# Altium PCB LPCXpresso55SXX.PcbDoc (part 3 of 4) (continued)
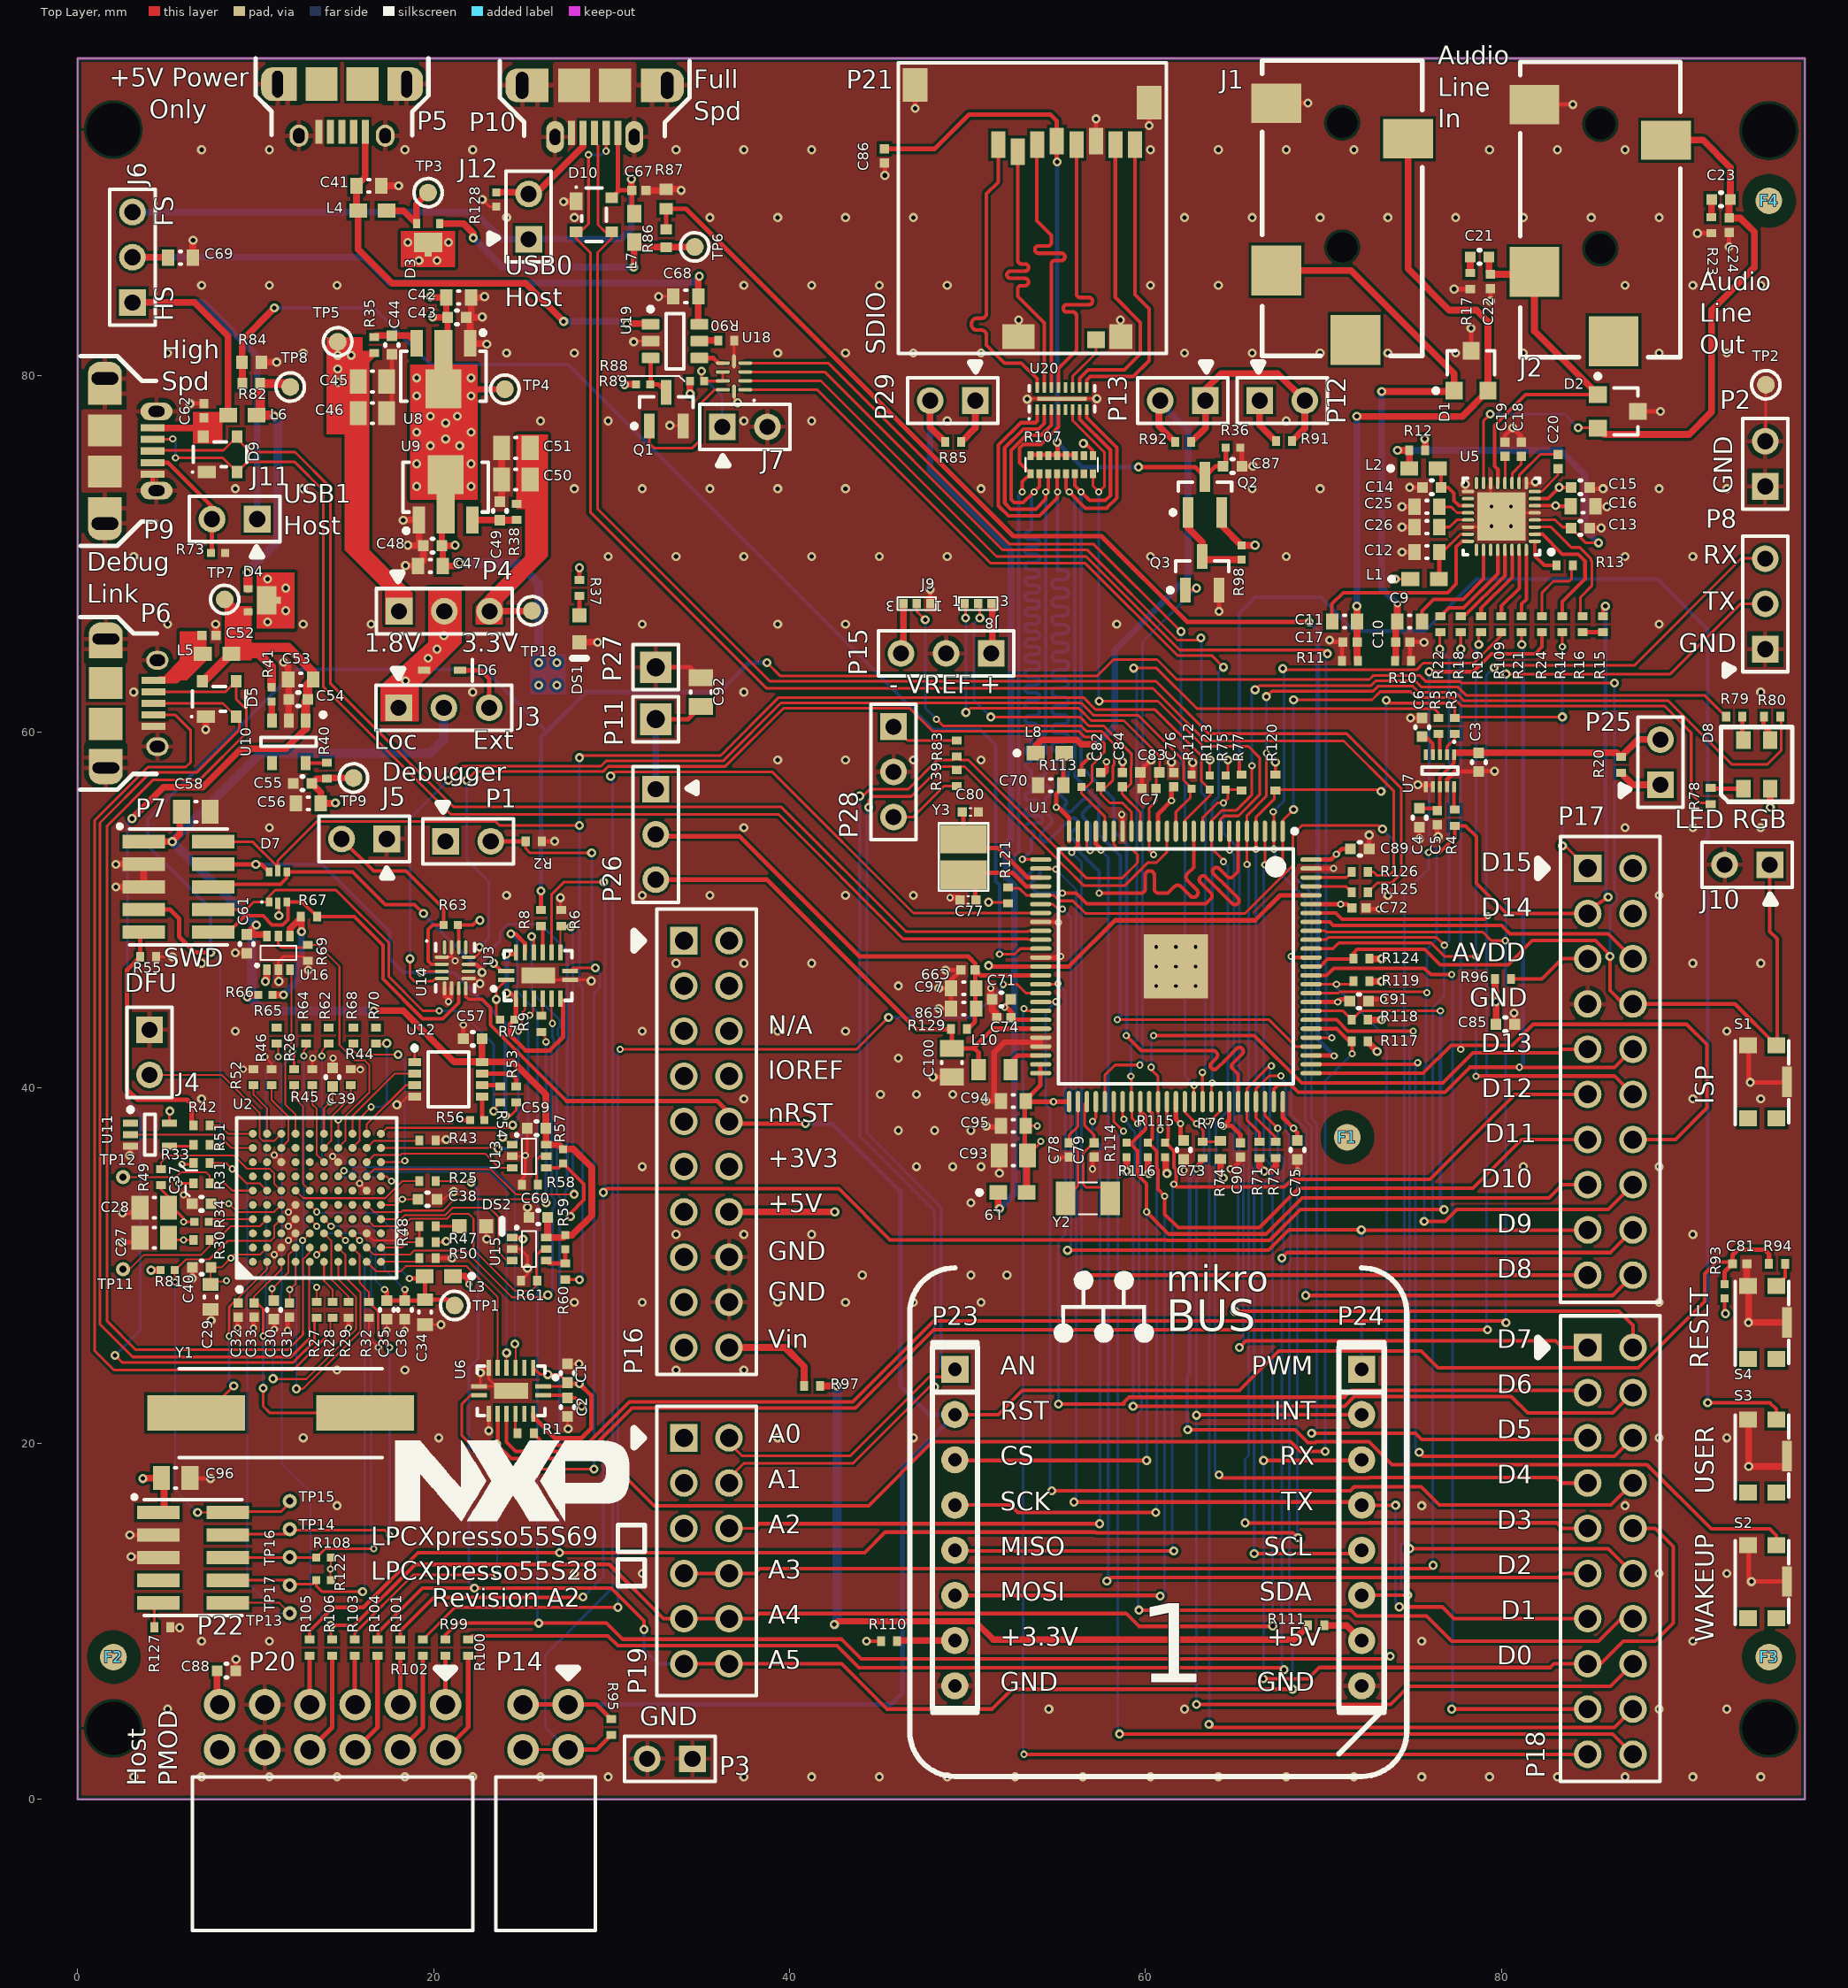
[diagram p0: Top Layer view]
## Nets (pads, with @x,y where several pads share a name; then routed paths per layer and width w, separated by ;. In a path a pad name is that pad's centre, name@x,y a point inside that pad or via, vN(x,y) a via of type N, cw(c..) or ccw(c..) an arc to the next point about the centre after c; other vN are vias at no path point) (continued)
LEDB/PWM_ARD: P18.5 R78.1 U1.1 | length 86.4
  Top Layer w0.152: v2(67.715,52.522) U1.1@67.715,54.412 67.715,55.015 v1(68.326,55.626) ; v1(68.326,61.798) 72.745,61.798 73.202,62.255 74.906,62.255 75.249,61.912 77.298,61.912 77.767,61.443 89.179,61.443 90.678,59.944 90.678,56.515 91.186,56.007 91.752,56.007 R78.1@91.821,55.938
  Top Layer w0.203: v1(69.342,20.574) 75.184,20.574 75.529,20.229 P18.5@84.861,20.229
  Bottom Layer w0.152: v2(67.715,52.522) 69.342,50.895 69.342,38.248 69.64,37.949 69.64,20.872 v1(69.342,20.574) ; v1(68.326,55.626) v1(68.326,61.798)
LEDG/PWM_ARD: P18.7 R79.1 U1.9 | length 94.9
  Top Layer w0.152: v2(64.389,52.705) 64.389,52.787 63.715,53.46 U1.9@63.715,54.412 63.715,55.002 64.288,55.575 65.103,55.575 65.989,56.461 v2(65.989,58.09) ; v1(66.167,62.357) 66.396,62.586 72.67,62.586 72.949,62.865 75.158,62.865 75.502,62.522 77.551,62.522 78.02,62.052 91.422,62.052 R79.1@92.641,60.833
  Top Layer w0.203: v1(64.135,18.237) 64.303,18.07 72.576,18.07 72.601,18.095 83.116,18.095 83.431,17.78 P18.7@84.861,17.78
  Bottom Layer w0.152: v1(64.135,18.237) 63.906,18.466 63.906,35.688 63.957,35.739 63.957,38.025 64.643,38.711 64.643,52.451 v2(64.389,52.705) ; v2(65.989,58.09) 65.989,62.179 v1(66.167,62.357)
LEDR/PWM_ARD: P18.9 R80.1 U1.5 | length 99.6
  Top Layer w0.152: v2(65.715,52.539) U1.5@65.715,54.412 65.715,55.301 66.802,56.388 v2(66.802,58.801) ; v1(66.802,61.976) 67.107,62.281 72.796,62.281 73.075,62.56 75.032,62.56 75.375,62.217 77.424,62.217 77.894,61.747 89.383,61.747 92.964,58.166 94.959,58.166 95.74,58.946 95.74,60.761 R80.1@95.668,60.833
  Top Layer w0.203: v1(65.608,15.545) 65.623,15.53 72.576,15.53 72.591,15.545 83.126,15.545 83.431,15.24 P18.9@84.861,15.24
  Bottom Layer w0.152: v1(65.608,15.545) 65.608,19.129 65.811,19.332 65.811,52.443 v2(65.715,52.539) ; v2(66.802,58.801) v1(66.802,61.976)
LININL: C9.2 U5.26 | length 6.4
  Top Layer w0.203: C9.2@75.554,66.192 75.554,66.791 76.2,67.437 77.851,67.437 79.013,68.599 U5.26@79.013,70.231
LININL_F: C9.1 C10.2 D1.1 J1.2 R10.2 | length 33
  Top Layer w0.381: J1.2@67.363,85.924 71.556,85.924 77.352,80.128 D1.1@77.352,79.164 77.308,79.121 v1(73.279,79.121) ; R10.2@74.023,63.983 74.073,64.033 C10.2@74.073,65.049 74.073,66.111 C9.1@74.154,66.192 74.154,67.169 v2(74.168,67.183)
  Bottom Layer w0.381: v1(73.279,79.121) 73.279,68.072 v2(74.168,67.183)
LININR: C11.2 U5.24 | length 11.3
  Top Layer w0.203: C11.2@70.496,66.192 70.485,66.203 70.485,67.183 71.12,67.818 76.989,67.818 77.47,68.299 77.47,70.399 77.777,70.706 U5.24@78.138,70.706
LININR_F: C11.1 C17.2 D1.2 J1.3 R11.2 | length 38.6
  Top Layer w0.381: v1(71.882,67.056) 71.896,67.042 C11.1@71.896,66.192 71.896,64.037 R11.2@71.951,63.983 ; v1(71.882,77.724) 77.811,77.724 D1.2@79.252,79.164 79.252,83.054 78.613,83.693 77.089,83.693 74.763,86.019 J1.3@74.763,93.324
  Bottom Layer w0.381: v1(71.882,67.056) v1(71.882,77.724)
LINK2_ISP_BOOT: J4.2 U2.C10 | length 9.9
  Top Layer w0.102: J4.2@4.032,40.715 8.096,40.715 10.213,38.598 10.213,37.201 10.407,37.007 11.03,37.007 U2.C10@11.436,37.413
LSPI_HS_MISO: P17.11 P23.5 R115.1 U1.62 | length 63.6
  Top Layer w0.203: P23.5@49.295,14.006 49.33,13.97 v1(61.595,13.97) ; U1.62@61.215,39.212 61.215,37.907 61.29,37.832 61.29,37.11 61.08,36.9 R115.1@61.112,36.9 61.144,36.9 61.595,36.449 61.595,35.516 61.722,35.389 61.722,34.696 v2(61.595,34.569) 61.747,34.417 67.818,34.417 68.25,34.849 75.997,34.849 80.772,39.624 P17.11@84.861,39.624
  Bottom Layer w0.152: v1(61.595,13.97) 61.493,14.072 61.493,24.33 61.519,24.355 61.519,34.493 v2(61.595,34.569)
LSPI_HS_MOSI: P17.13 P23.6 R116.1 U1.60 | length 67.1
  Top Layer w0.203: P23.6@49.295,11.466 60.797,11.466 v1(60.833,11.43) ; U1.60@60.215,39.212 60.215,38.701 60.376,38.541 60.376,37.11 60.166,36.9 60.627,36.439 60.627,35.469 60.706,35.389 60.706,34.29 v2(61.087,33.909) 61.087,32.893 61.849,32.131 66.415,32.131 68.625,34.341 78.41,34.341 81.153,37.084 P17.13@84.861,37.084
  Bottom Layer w0.152: v1(60.833,11.43) 61.087,11.684 v2(61.087,33.909)
LSPI_HS_SCK: P17.9 P23.4 U1.61 | length 64.9
  Top Layer w0.152: v2(60.325,41.148) 60.325,41.021 60.715,40.631 U1.61@60.715,39.212 60.715,37.76 v2(60.833,37.643)
  Top Layer w0.203: P23.4@49.295,16.546 52.415,16.546 52.832,16.129 v1(60.579,16.129) ; v2(60.452,42.926) 66.116,42.926 68.783,40.259 76.708,40.259 78.41,41.961 83.228,41.961 83.431,42.164 P17.9@84.861,42.164
  Bottom Layer w0.152: v2(60.325,41.148) 60.325,42.799 v2(60.452,42.926) ; v1(60.579,16.129) 60.63,16.18 60.63,34.928 60.681,34.979 60.681,37.49 v2(60.833,37.643)
LSPI_HS_SSEL1: P17.15 P23.3 R114.1 U1.59 | length 58.7
  Top Layer w0.203: P23.3@49.295,19.086 49.33,19.05 v1(60.071,19.05) ; R114.1@58.947,36.9 R114.1@59.112,36.9 ; U1.59@59.715,39.212 59.715,38.557 59.857,38.557 60.02,38.394 60.02,37.668 59.252,36.9 R114.1@59.112,36.9 ; P17.15@84.861,34.544 83.431,34.544 82.694,33.807 68.809,33.807 66.777,31.775 61.316,31.775 v2(60.071,33.02) 60.071,34.588 59.563,35.096 59.563,36.449 R114.1@59.112,36.9
  Bottom Layer w0.152: v1(60.071,19.05) 60.096,19.075 60.096,32.995 v2(60.071,33.02)
NetC6_1: C6.1 U7.4 | length 1.3
  Top Layer w0.203: C6.1@75.558,59.724 75.765,59.724 76.149,59.34 U7.4@76.149,58.798
NetC18_2: C18.2 U5.11 | length 1.7
  Top Layer w0.152: U5.11@80.613,73.981 80.613,74.517 81.121,75.025 C18.2@81.121,75.47
NetC19_2: C19.2 U5.12 | length 1.5
  Top Layer w0.152: C19.2@80.207,75.47 80.213,75.463 U5.12@80.213,73.981
NetC20_1: C20.1 U5.10 | length 3.1
  Top Layer w0.152: U5.10@81.013,73.981 81.013,74.409 82.188,75.584 C20.1@83.185,75.584
NetC20_2: C20.2 U5.8 | length 2
  Top Layer w0.152: U5.8@81.888,73.506 82.269,73.506 83.185,74.422 C20.2@83.185,74.784
NetC21_2: C21.2 R17.2 | length 0.9
  Top Layer w0.381: R17.2@78.251,85.776 78.259,85.784 C21.2@78.259,86.681
NetC23_2: C23.2 R23.2 | length 1
  Top Layer w0.381: R23.2@91.814,88.918 91.823,88.927 C23.2@91.823,89.916
NetC25_2: C25.2 U5.20 | length 1.8
  Top Layer w0.152: C25.2@76.519,72.644 77.175,72.644 77.513,72.306 U5.20@78.138,72.306
NetC26_2: C26.2 U5.21 | length 1.8
  Top Layer w0.152: C26.2@76.519,71.501 77.089,71.501 77.494,71.906 U5.21@78.138,71.906
NetC32_2: C32.2 U2.B1 Y1.1 | length 10.9
  Top Layer w0.102: C32.2@9.017,27.907 9.017,28.174 10.636,29.793 U2.B1@10.636,30.213
  Top Layer w0.152: Y1.1@6.648,21.716 7.238,21.716 v1(8.763,23.241) ; v2(8.509,26.035) 8.509,27.686 8.73,27.907 C32.2@9.017,27.907
  Bottom Layer w0.152: v2(8.509,26.035) 8.509,23.495 v1(8.763,23.241)
NetC33_1: C33.1 U2.C1 Y1.2 | length 15
  Top Layer w0.102: C33.1@10.128,27.907 9.906,28.129 9.906,28.263 11.436,29.793 U2.C1@11.436,30.213
  Top Layer w0.152: C33.1@9.906,27.907 10.066,27.907 10.414,27.559 v2(10.414,26.035) ; v1(10.414,23.114) 10.414,22.098 10.796,21.716 Y1.2@16.148,21.716
  Bottom Layer w0.152: v1(10.414,23.114) v2(10.414,26.035)
NetC44_1: C44.1 R35.2 U8.3 | length 2.6
  Top Layer w0.381: R35.2@16.662,82.187 16.737,82.262 C44.1@17.653,82.262 18.611,82.262 U8.3@19.049,81.825
NetC49_1: C49.1 R38.2 U9.3 | length 2.5
  Top Layer w0.381: U9.3@22.174,71.898 23.716,71.898 C49.1@23.724,71.89 24.639,71.89 R38.2@24.663,71.915
NetC52_2: C52.2 L5.1 P6.1 | length 4.4
  Top Layer w0.381: P6.1@4.25,62.893 5.527,62.893 L5.1@7.023,64.389 7.023,65.348 C52.2@6.966,65.405
NetC77_1: C77.1 U1.29 Y3.1 | length 6.4
  Top Layer w0.254: Y3.1@49.784,51.959 Y3.1@50.431,51.312 ; C77.1@50.438,50.546 50.438,51.305 Y3.1@50.431,51.312 ; U1.29@54.115,51.312 53.304,51.312 52.546,52.07 50.431,52.07 Y3.1@50.431,51.312
NetC80_1: C80.1 U1.28 Y3.2 | length 6.8
  Top Layer w0.254: C80.1@49.765,55.499 49.765,53.978 Y3.2@49.784,53.959 50.276,53.467 51.724,53.467 53.379,51.812 U1.28@54.115,51.812
NetC92_1: C92.1 P11.1 P26.1 | length 6.8
  Top Layer w0.254: P11.1@32.48,60.706 34.296,60.706 C92.1@35.02,61.43
  Bottom Layer w0.381: P26.1@32.48,56.769 P11.1@32.48,60.706
NetC97_2: C97.2 C98.2 C99.2 P26.2 R129.1 U1.39 | length 28.7
  Top Layer w0.254: P26.2@32.48,54.229 32.582,54.127 37.186,54.127 43.942,47.371 50.038,47.371 50.438,46.971 C99.2@50.438,46.609 ; R129.1@49.98,43.307 50.038,43.307 50.419,43.688 50.419,44.385 C98.2@50.484,44.45 50.438,44.496 C99.2@50.438,46.609 ; U1.39@54.115,46.312 50.735,46.312 C99.2@50.438,46.609
NetC100_1: C100.1 L10.2 P26.3 R129.2 U1.45 | length 28
  Top Layer w0.254: P26.3@32.48,51.689 38.735,51.689 47.149,43.275 49.117,43.275 C100.1@49.117,42.202 50.315,42.202 ; L10.2@50.63,41.021 50.63,41.97 50.398,42.202 50.315,42.202 ; U1.45@54.115,43.312 51.425,43.312 50.315,42.202
NetD6_1: D6.1 J3.3 | length 3.5
  Top Layer w0.254: D6.1@21.472,63.449 22.657,63.449 23.114,62.992 J3.3@23.114,61.341
NetD8_1: D8.1 R78.2 | length 2
  Top Layer w0.254: R78.2@91.662,56.827 91.698,56.791 D8.1@93.611,56.791
NetD8_3: D8.3 R80.2 | length 1.5
  Top Layer w0.254: R80.2@94.768,60.833 94.742,60.807 94.742,60.325 95.111,59.956 D8.3@95.111,59.541
NetD8_4: D8.4 R79.2 | length 1.3
  Top Layer w0.254: R79.2@93.541,60.833 93.541,59.611 D8.4@93.611,59.541
NetDS1_1: DS1.1 R37.1 | length 1.1
  Top Layer w0.254: DS1.1@28.194,66.536 R37.1@28.194,67.64
NetDS2_1: DS2.1 R48.1 | length 1.3
  Top Layer w0.152: R48.1@20.103,32.206 DS2.1@21.443,32.206
NetJ5_2: J5.2 R63.1 U14.2 | length 11.7
  Top Layer w0.203: J5.2@14.827,53.975 16.627,52.175 18.437,52.175 20.555,50.057 R63.1@20.555,49.149 ; R63.1@20.393,49.149 19.939,49.149 19.685,48.895 19.685,47.117 19.866,46.936 U14.2@20.459,46.936
NetJ7_1: J7.1 R88.1 U18.7 U18.8 | length 5.8
  Top Layer w0.152: v1(35.052,80.264) 35.052,79.851 R88.1@35.198,79.705 36.24,79.705 U18.8@36.256,79.721 U18.7@36.256,80.221
  Bottom Layer w0.152: v1(35.052,80.264) 35.052,80.01 36.22,78.842 J7.1@36.22,77.14
NetL8_1: L8.1 P13.2 P29.1 R85.1 R92.1 | length 31.6
  Top Layer w0.381: R85.1@49.65,76.277 50.44,77.067 P29.1@50.44,78.613 ; L8.1@53.835,58.801 53.835,59.22 54.159,59.544 56.152,59.544 56.399,59.296 57.137,59.296 v2(57.201,59.233) ; P13.2@60.756,78.563 60.756,77.192 R92.1@61.671,76.277
  Bottom Layer w0.381: v2(57.201,59.233) 58.293,60.325 58.293,64.59 62.395,68.692 62.395,77.051 ; P13.2@60.756,78.563 62.318,77.001
NetL9_1: L9.1 P29.2 R85.2 | length 51.6
  Top Layer w0.381: P29.2@47.9,78.613 47.9,77.127 R85.2@48.75,76.277 ; L9.1@51.727,34.112 51.727,33.273 v4(51.8,33.2)
  Bottom Layer w0.381: P29.2@47.9,78.613 47.9,74.7 52.438,70.162 52.438,53.938 52.184,53.684 52.184,51.816 52.635,51.365 52.635,44.676 52.635,34.035 v4(51.8,33.2)
NetL10_1: L10.1 U1.48 | length 2.2
  Top Layer w0.254: L10.1@52.58,41.021 52.58,41.563 52.829,41.812 U1.48@54.115,41.812
NetP12_2: P12.2 P13.1 R91.2 R92.2 | length 12.5
  Top Layer w0.381: R92.2@62.571,76.277 63.373,77.079 P13.1@63.373,78.613 63.373,79.248 64.262,80.137 67.437,80.137 P12.2@68.961,78.613 68.961,77.052 R91.2@68.236,76.327
NetP16_20: P16.20 R97.2 | length 5.8
  Top Layer w0.381: P16.20@36.601,25.4 39.751,25.4 40.825,24.326 R97.2@40.825,23.241
NetP17_5: P17.5 R96.1 | length 4.8
  Top Layer w0.203: R96.1@80.555,46.101 82.288,46.101 83.431,47.244 P17.5@84.861,47.244
NetP20_1: P20.1 R99.2 | length 2.8
  Top Layer w0.254: R99.2@20.665,8.084 20.665,5.338 P20.1@20.669,5.334
NetP20_2: P20.2 R100.1 | length 5.8
  Top Layer w0.254: P20.2@20.669,2.794 21.939,4.064 R100.1@21.939,8.084
NetP20_3: P20.3 R101.2 | length 2.8
  Top Layer w0.254: R101.2@18.118,8.084 18.118,5.345 P20.3@18.129,5.334
NetP20_4: P20.4 R102.1 | length 5.8
  Top Layer w0.254: P20.4@18.129,2.794 19.392,4.057 R102.1@19.392,8.084
NetP20_5: P20.5 R103.2 | length 2.8
  Top Layer w0.254: R103.2@15.571,8.084 15.571,5.352 P20.5@15.589,5.334
NetP20_6: P20.6 R104.1 | length 5.8
  Top Layer w0.254: P20.6@15.589,2.794 16.844,4.049 R104.1@16.844,8.084
NetP20_7: P20.7 R105.2 | length 2.8
  Top Layer w0.254: R105.2@13.024,8.084 13.024,5.359 P20.7@13.049,5.334
NetP20_8: P20.8 R106.1 | length 5.8
  Top Layer w0.254: P20.8@13.049,2.794 14.297,4.042 R106.1@14.297,8.084
NetP22_9: P22.9 R127.2 | length 1.5
  Top Layer w0.152: R127.2@4.293,9.677 4.293,10.898 P22.9@4.495,11.1
NetP23_7: P23.7 R110.2 | length 3.3
  Top Layer w0.381: R110.2@46.043,8.89 46.079,8.926 P23.7@49.295,8.926 P23.7@49.278,8.909
NetP24_7: P24.7 R111.2 | length 2.5
  Top Layer w0.381: R111.2@70.046,9.779 71.301,9.779 P24.7@72.155,8.926
NetP28_1: P28.1 R83.2 | length 3.9
  Top Layer w0.152: P28.1@45.847,60.288 46.63,59.505 R83.2@49.403,59.505
NetP28_3: P28.3 R39.2 | length 4.3
  Top Layer w0.152: P28.3@45.847,55.208 46.953,55.208 48.699,56.954 R39.2@49.403,56.954
NetQ1_1: Q1.1 U18.9 | length 7.8
  Top Layer w0.152: Q1.1@32.121,77.18 32.121,76.21 32.385,75.946 34.544,75.946 34.929,76.331 34.929,78.363 35.787,79.221 U18.9@36.256,79.221
NetQ2_1: Q2.1 Q3.3 R98.1 | length 5.1
  Top Layer w0.381: Q2.1@62.398,72.323 62.398,71.46 63.195,70.663 Q3.3@63.195,69.854 63.377,69.672 R98.1@65.405,69.672
NetR1_1: R1.1 U6.13 | length 1.2
  Top Layer w0.152: U6.13@24.597,21.665 24.597,20.557 R1.1@24.638,20.516
NetR5_1: R5.1 U7.3 | length 1.1
  Top Layer w0.203: U7.3@76.541,58.806 R5.1@76.541,59.807
  Top Layer w0.254: R5.1@76.473,59.875 R5.1@76.541,59.807
NetR8_2: R8.2 U3.12 | length 1.5
  Top Layer w0.203: R8.2@26.105,49.13 26.126,49.108 U3.12@26.126,47.603
NetR9_1: R9.1 U3.5 | length 1
  Top Layer w0.102: R9.1@26.054,44.035 26.126,44.107 U3.5@26.126,45.003
NetR13_1: R13.1 U5.1 | length 2.3
  Top Layer w0.203: U5.1@81.888,70.706 81.888,69.877 82.423,69.342 R13.1@83.116,69.342
NetR15_1: R15.1 R16.1 | length 1.1
  Top Layer w0.254: R16.1@84.582,65.59 R15.1@85.725,65.59
NetR25_1: R25.1 U2.D6 | length 7.5
  Top Layer w0.102: U2.D6@12.236,34.213 12.661,33.788 12.664,33.79 17.28,33.79 18.236,34.746 R25.1@19.203,34.746
NetR26_1: R26.1 U2.E6 | length 6.3
  Top Layer w0.102: R26.1@12.16,40.138 12.16,39.445 12.659,38.946 12.659,34.59 U2.E6@13.036,34.213
NetR27_1: R27.1 U2.E3 | length 4.5
  Top Layer w0.102: v2(12.636,31.413) U2.E3@13.036,31.813 ; v2(13.43,28.777) R27.1@13.43,27.957 R27.1@13.557,28.084
  Bottom Layer w0.102: v2(12.636,31.413) 12.636,29.571 v2(13.43,28.777)
NetR28_2: R28.2 U2.F1 | length 2.5
  Top Layer w0.102: U2.F1@13.836,30.213 13.836,29.133 14.319,28.65 R28.2@14.319,27.957
NetR34_2: R34.2 U2.A4 | length 2.5
  Top Layer w0.102: R34.2@7.353,32.46 7.506,32.613 U2.A4@9.836,32.613
NetR40_2: R40.2 U10.5 | length 1.2
  Top Layer w0.203: U10.5@12.805,58.236 13.971,58.236 R40.2@13.995,58.26
NetR41_2: R41.2 U10.3 | length 1.1
  Top Layer w0.381: R41.2@10.897,61.703 10.905,61.694 U10.3@10.905,60.636
NetR42_2: R42.2 U2.A10 | length 2.6
  Top Layer w0.102: R42.2@7.403,37.87 7.994,37.87 8.452,37.413 U2.A10@9.836,37.413
NetR51_1: R51.1 U11.4 | length 1.4
  Top Layer w0.102: R51.1@6.437,36.712 R51.1@6.503,36.778
  Top Layer w0.152: U11.4@5.157,36.712 R51.1@6.437,36.712
NetR53_1: R53.1 U12.7 | length 2.5
  Top Layer w0.254: U12.7@22.731,40.793 24.361,40.793 24.638,40.516 R53.1@24.638,40.074
NetR54_1: R54.1 U12.6 | length 1
  Top Layer w0.254: U12.6@22.731,40.143 23.68,40.143 R54.1@23.749,40.074
NetR56_2: R56.2 U12.5 | length 1.4
  Top Layer w0.254: U12.5@22.731,39.493 22.731,38.291 R56.2@22.847,38.175
NetR58_2: R58.2 U13.5 | length 2
  Top Layer w0.152: R58.2@25.85,34.544 25.789,34.605 25.789,35.949 25.983,36.143 U13.5@26.318,36.143
NetR59_1: R59.1 R60.1 U15.4 | length 2
  Top Layer w0.254: U15.4@26.318,30.286 26.488,30.116 R60.1@27.4,30.116 R59.1@27.4,30.917
NetR66_1: R66.1 R67.1 U16.4 | length 6.8
  Top Layer w0.381: R66.1@10.941,45.212 v1(11.557,45.212) ; U16.4@11.921,48.523 11.921,48.928 12.541,49.548 R67.1@12.541,49.605 12.573,49.573 v1(12.573,48.768)
  Bottom Layer w0.381: v1(11.557,45.212) 12.357,46.012 12.357,46.856 12.573,47.072 v1(12.573,48.768)
NetR76_1: R76.1 S2.1 | length 51.8
  Top Layer w0.203: v1(62.382,20.777) 68.42,20.777 69.132,20.066 69.552,20.066 69.588,20.102 72.576,20.102 73.868,18.809 88.191,18.809 91.8,15.2 95.1,15.2 95.462,14.838 S2.1@95.462,14.293
  Top Layer w0.254: v2(62.865,35.433) 62.865,35.56 63.214,35.909 R76.1@63.214,36.05
  Bottom Layer w0.203: v1(62.382,20.777) 62.357,20.803 62.357,23.793 62.484,23.92 62.484,34.908 62.865,35.289 v2(62.865,35.433)
NetR77_1: R77.1 S3.1 | length 87.3
  Top Layer w0.203: v2(65.278,58.547) 65.278,57.727 R77.1@65.405,57.6 ; v1(91.6,22.3) 95.1,22.3 95.462,21.938 S3.1@95.462,21.438
  Bottom Layer w0.203: v2(65.278,58.547) 65.278,66.675 66.167,67.564 69.85,67.564 71.755,65.659 75.692,65.659 78.613,68.58 88.773,68.58 91.618,65.735 91.618,54.051 91.186,53.619 91.186,51.333 91.6,50.919 v1(91.6,22.3)
NetR90_1: R90.1 U19.5 | length 1.1
  Top Layer w0.381: U19.5@34.937,81.951 34.978,81.991 R90.1@35.999,81.991
NetR94_2: R94.2 S4.1 | length 1.4
  Top Layer w0.203: S4.1@95.462,28.855 95.95,29.343 R94.2@95.95,30.1
NetR125_2: R125.2 U1.97 | length 2.4
  Top Layer w0.152: U1.97@69.315,51.312 71.269,51.312 R125.2@71.603,50.978
NetR126_2: R126.2 U1.98 | length 2.4
  Top Layer w0.152: U1.98@69.315,51.812 71.295,51.812 R126.2@71.603,52.121
P0_5-ISP1: J10.1 P7.7 P17.8 R8.1 R51.2 R124.2 S1.1 U1.88 | length 183.9
  Top Layer w0.102: R51.2@7.403,36.778 7.926,36.778 v2(8.001,36.703)
  Top Layer w0.152: v1(38.735,63.881) 39.472,63.144 57.302,63.144 58.217,64.059 60.655,64.059 61.773,62.941 72.594,62.941 72.823,63.17 75.413,63.17 75.756,62.826 77.677,62.826 77.765,62.738 v1(86.36,62.738)
  Top Layer w0.203: U1.88@69.315,46.812 69.826,46.812 70.233,47.219 71.686,47.219 R124.2@71.686,47.244 71.686,47.556 71.903,47.773 75.707,47.773 76.566,46.914 80.392,46.914 81.751,48.273 85.287,48.273 86.106,47.454 v1(86.106,47.371) 86.106,45.469 86.871,44.704 P17.8@87.401,44.704 93.139,44.704 S1.1@95.462,42.381 95.51,42.333 95.51,48.362 95.098,48.775 J10.1@95.098,52.527
  Top Layer w0.254: P7.7@3.708,50.013 5.182,50.013 5.69,49.505 5.69,48.489 6.579,47.6 v1(7.468,47.6) ; R8.1@26.035,49.98 v1(26.035,51.054)
  Bottom Layer w0.102: v1(7.468,47.6) 8.001,47.066 v2(8.001,36.703)
  Bottom Layer w0.152: v1(86.106,47.371) 86.106,50.121 86.491,50.505 86.491,50.905 86.36,51.036 v1(86.36,62.738)
  Bottom Layer w0.203: v1(7.468,47.6) 7.468,50.063 3.937,53.594 3.937,55.118 12.319,63.5 22.86,63.5 26.352,60.008
  Bottom Layer w0.254: v1(26.035,51.054) 26.035,59.69 26.352,60.008 28.575,62.23 36.068,62.23 37.719,63.881 v1(38.735,63.881)
P6_2: R43.2 U2.J9 | length 3.1
  Top Layer w0.102: U2.J9@16.236,36.613 16.636,37.013 19.184,37.013 R43.2@19.203,37.032
P6_5: R44.2 U2.F9 | length 4.1
  Top Layer w0.102: U2.F9@13.836,36.613 14.236,37.013 14.236,38.346 15.335,39.445 R44.2@15.335,40.138
P6_9: R45.2 U2.F8 | length 4.7
  Top Layer w0.102: R45.2@13.176,40.138 13.176,39.064 13.43,38.81 13.43,36.219 U2.F8@13.836,35.813 13.912,35.889 U2.F8@13.938,35.889
P6_11: R46.2 U2.C9 | length 4.1
  Top Layer w0.102: R46.2@10.89,40.138 10.89,39.318 11.836,38.372 11.836,37.013 U2.C9@11.436,36.613
PIO0_15_GPIO_ARD: P18.11 U1.22 | length 69.7
  Top Layer w0.203: v1(57.836,12.268) 58.049,12.482 83.213,12.482 83.431,12.7 P18.11@84.861,12.7
  Top Layer w0.254: U1.22@57.215,54.412 57.215,53.703 57.499,53.419 v2(57.499,53.34)
  Bottom Layer w0.152: v2(57.499,53.34) 57.912,52.927 57.912,12.344 v1(57.836,12.268)
PIO0_18_GPIO_ARD: P18.20 U1.56 | length 65.3
  Top Layer w0.152: U1.56@58.215,39.212 58.215,38.099 v2(58.762,37.553)
  Top Layer w0.203: v1(58.547,3.683) 86.258,3.683 P18.20@87.401,2.54
  Bottom Layer w0.152: v1(58.547,3.683) 58.445,3.785 58.445,37.236 v2(58.762,37.553)
PIO1_5_GPIO_ARD: P17.17 P24.1 U1.31 | length 58.4
  Top Layer w0.152: U1.31@54.115,50.312 54.812,50.312 55.086,50.038 v2(55.34,50.038)
  Top Layer w0.203: v1(55.626,30.861) 66.929,30.861 68.072,32.004 v1(72.136,32.004) 72.161,31.979 84.836,31.979 P17.17@84.861,32.004
  Bottom Layer w0.152: v2(55.34,50.038) 55.804,49.574 55.804,31.039 v1(55.626,30.861) ; v1(72.136,32.004) 72.155,31.985 P24.1@72.155,24.166
PIO1_8_GPIO_ARD: P17.19 U1.24 | length 53.6
  Top Layer w0.203: v1(56.642,29.464) P17.19@84.861,29.464
  Top Layer w0.254: v2(55.855,53.213) 56.215,53.574 U1.24@56.215,54.412
  Bottom Layer w0.152: v2(55.855,53.213) 56.413,52.654 56.413,29.693 v1(56.642,29.464)
PIO1_9_GPIO_ARD: P18.1 R75.1 R77.2 U1.10 | length 55
  Top Layer w0.152: U1.10@63.215,54.412 63.215,55.172 64.051,56.007 v2(64.389,56.007) 64.643,56.261 64.643,56.75 R77.2@65.405,56.75
  Top Layer w0.203: v1(65.278,25.4) 65.659,25.781 83.05,25.781 83.431,25.4 P18.1@84.861,25.4
  Bottom Layer w0.152: v2(64.389,56.007) 64.389,54.3 65.284,53.405 65.284,36.215 65.507,35.992 65.507,25.629 v1(65.278,25.4)
PIO1_10_GPIO_ARD: P18.3 U1.40 | length 55.1
  Top Layer w0.152: U1.40@54.115,45.812 55.051,45.812 v2(55.086,45.847)
  Top Layer w0.203: v1(55.118,22.225) 58.801,22.225 58.801,22.308 59.099,22.606 71.195,22.606 71.587,22.997 84.724,22.997 P18.3@84.861,22.86
  Bottom Layer w0.152: v2(55.086,45.847) 55.499,45.434 55.499,31.75 55.118,31.369 v1(55.118,22.225)
PIO1_11_GPIO_ARD: P17.6 U1.93 | length 19
  Top Layer w0.203: U1.93@69.368,49.26 U1.93@69.315,49.312 70.367,49.312 70.562,49.117 80.022,49.117 80.498,48.641 86.004,48.641 P17.6@87.401,47.244
PLU_CLKIN/GPIO/SD1_D0: P18.6 U1.77 | length 40.6
  Top Layer w0.203: U1.77@69.315,41.312 75.221,41.312 v2(75.311,41.402) ; v1(75.387,19.507) 75.603,19.291 86.372,19.291 P18.6@87.401,20.32
  Bottom Layer w0.152: v2(75.311,41.402) 75.184,41.275 75.184,19.71 v1(75.387,19.507)
PLU_IN0/GPIO: P19.7 P19.8 R22.2 U1.91 | length 103.1
  Top Layer w0.152: U1.91@69.315,48.312 69.317,48.311 70.155,48.311 70.282,48.438 76.371,48.438 v2(76.803,48.006) ; v1(76.549,64.643) R22.2@76.549,65.59
  Top Layer w0.203: P19.7@34.061,12.7 P19.8@36.601,12.7 38.031,12.7 38.31,12.979 75.997,12.979 v1(76.175,13.157)
  Bottom Layer w0.152: v1(76.175,13.157) 76.149,13.183 76.149,44.502 76.784,45.137 76.784,47.987 v2(76.803,48.006) 77.064,48.267 77.064,64.128 v1(76.549,64.643)
PLU_IN3/GPIO: P17.18 R100.2 U1.73 | length 99.6
  Top Layer w0.152: U1.73@66.715,39.212 66.715,38.441 v2(67.437,37.719)
  Top Layer w0.203: R100.2@21.939,8.984 22.149,9.195 29.794,9.195 30.353,8.636 30.366,8.649 42.659,8.649 43.906,7.402 67.681,7.402 v1(67.793,7.29) ; v1(67.666,30.429) 67.97,30.734 86.131,30.734 P17.18@87.401,32.004
  Bottom Layer w0.152: v2(67.437,37.719) 67.437,36.343 67.767,36.012 67.767,30.531 v1(67.666,30.429) 67.666,7.417 v1(67.793,7.29)
PLU_IN4/GPIO: P17.16 R24.2 U1.85 | length 58.1
  Top Layer w0.152: U1.85@69.315,45.312 70.812,45.312 70.814,45.314 70.851,45.314 70.927,45.39 75.768,45.39 v2(75.819,45.339)
  Top Layer w0.203: v1(75.667,32.487) 76.842,32.487 77.503,33.147 86.004,33.147 P17.16@87.401,34.544 ; v1(75.946,63.373) 78.442,63.373 79.458,64.389 81.915,64.389 82.296,64.77 R24.2@82.296,65.59
  Bottom Layer w0.152: v1(75.667,32.487) 75.667,41.111 75.768,41.213 75.768,45.161 v2@75.819,45.212 ; v2(75.819,45.339) 75.819,47.793 76.371,48.345 76.371,53.402 75.946,53.828 v1(75.946,63.373)
PLU_IN5/GPIO/SD1_WP: P18.18 U1.68 | length 59.7
  Top Layer w0.152: v2(63.5,38.1) 63.627,38.1 64.215,38.688 U1.68@64.215,39.212
  Top Layer w0.203: v1(63.576,4.216) 63.754,4.039 86.36,4.039 P18.18@87.401,5.08
  Bottom Layer w0.152: v2(63.5,38.1) 63.602,37.998 63.602,4.242 v1(63.576,4.216)
PLU_OUT1/GPIO: P18.14 R5.2 U1.58 | length 101.1
  Top Layer w0.152: v2(59.182,40.64) 59.215,40.607 U1.58@59.215,39.212 59.233,39.195 59.233,38.303 v2(59.563,37.973) ; v1(59.334,63.576) 60.62,63.576 62.893,61.302 68.135,61.302 68.147,61.29 73.733,61.29 73.745,61.302 76.239,61.302 76.473,61.068 R5.2@76.473,60.775
  Top Layer w0.203: v1(59.639,10.643) 71.541,10.643 71.871,10.312 75.794,10.312 77.216,8.89 85.471,8.89 86.741,10.16 P18.14@87.401,10.16
  Bottom Layer w0.152: v2(59.182,40.64) 59.182,42.347 59.329,42.494 59.506,42.671 59.506,63.405 v1(59.334,63.576) ; v2(59.563,37.973) 59.715,37.821 59.715,34.853 59.639,34.777 59.639,22.831 59.792,22.679 59.792,21.898 59.588,21.695 59.588,10.693 v1(59.639,10.643)
PLU_OUT4/GPIO: R102.2 U1.41 | length 68.5
  Top Layer w0.152: R102.2@19.392,8.984 21.202,10.795 v1(30.353,10.795) ; v2(30.48,42.164) 43.783,42.164 v1(45.561,43.942) ; v2(52,45.8) 52.8,45.8 53.288,45.312 U1.41@54.115,45.312
  Bottom Layer w0.152: v1(30.353,10.795) 30.353,42.037 v2(30.48,42.164) ; v1(45.561,43.942) 50.268,43.942 52,45.674 v2(52,45.8)
PLU_OUT5/GPIO/SD1_D3/FC4_SPI_SSEL2: P18.8 U1.42 | length 62.4
  Top Layer w0.152: U1.42@54.115,44.812 54.94,44.812 v2(54.959,44.831)
  Top Layer w0.203: v1(54.737,17.348) 71.521,17.348 71.734,17.562 75.497,17.562 76.512,16.547 86.168,16.547 P18.8@87.401,17.78
  Bottom Layer w0.152: v1(54.737,17.348) 54.635,17.45 54.635,38.798 54.4,39.033 54.4,44.272 v2(54.959,44.831)
PLU_OUT6/GPIO/FC2_USART_RXD_ARD/SD1_D1: P18.10 P18.15 P24.3 U1.3 | length 85
  Top Layer w0.152: v2(66.715,52.523) U1.3@66.715,54.412
  Top Layer w0.203: v1(66.624,6.782) 69.139,6.782 69.774,7.417 82.755,7.417 82.959,7.62 P18.15@84.861,7.62 85.598,7.62 86.868,8.89 88.646,8.89 89.662,9.906 89.662,14.224 88.646,15.24 P18.10@87.401,15.24 ; v1(66.643,19.05) 72.119,19.05 P24.3@72.155,19.086
  Bottom Layer w0.152: v1(66.624,6.782) 66.643,6.801 v1(66.643,19.05) 66.548,19.145 66.548,34.497 67.158,35.106 67.158,35.561 66.675,36.044 66.675,36.117 66.65,36.142 66.65,52.458 v2(66.715,52.523)
R\E\S\E\T\_\T\R\G\T\: P14.2 P14.4 R95.1 U1.32 | length 89.7
  Top Layer w0.152: P14.4@25.019,2.794 P14.2@27.559,2.794 ; v1(29.947,57.506) 30.189,57.748 39.026,57.748 46.962,49.812 U1.32@54.115,49.812
  Top Layer w0.254: P14.2@27.559,2.794 29.152,2.794 R95.1@29.972,3.614
  Bottom Layer w0.152: P14.2@27.559,2.794 26.289,4.064 26.289,8.128 30.048,11.887 30.048,57.404 v1(29.947,57.506)
R\E\S\E\T\_\U\L\P\: C81.2 P14.1 P14.3 P16.10 P23.2 R93.1 R94.1 R95.2 U14.8 | length 139.4
  Top Layer w0.203: U14.8@21.809,45.586 21.809,45.12 21.971,44.958 22.733,44.958 23.19,44.501 23.19,43.533 27.481,39.243 ; P23.2@49.295,21.626 51.725,21.626 53.086,22.987 65.278,22.987 67.498,25.207 75.504,25.207 76.454,24.257 87.713,24.257 91.44,27.984 91.44,29.54 92.1,30.2 C81.2@93,30.2
  Top Layer w0.254: P14.3@25.019,5.334 P14.1@27.559,5.334 29.152,5.334 R95.2@29.972,4.514 ; 27.481,39.243 35.941,39.243 36.601,38.583 P16.10@36.601,38.1 ; P16.10@36.888,37.973 v1(40.894,37.973) ; R93.1@92.551,28.966 92.551,29.651 C81.2@93,30.1 93,30.2 93,30.6 93.3,30.9 94.8,30.9 95.05,30.65 R94.1@95.05,30.1
  Bottom Layer w0.254: P14.1@27.559,5.334 45.72,5.334 46.355,5.969 46.355,18.686 P23.2@49.295,21.626 47.843,21.626 46.228,23.241 46.228,34.163 42.418,37.973 v1(40.894,37.973)
R\E\S\E\T\_LINK2: P22.10 R33.1 TP13.1 U2.B6 | length 34.3
  Top Layer w0.102: R33.1@7.403,35.762 8.35,35.762 v2(8.679,35.433) 9.499,34.613 10.236,34.613 U2.B6@10.636,34.213 ; P22.10@8.427,11.049 11.328,11.049 TP13.1@11.913,10.465
  Bottom Layer w0.102: v2(8.679,35.433) 9.518,34.594 9.518,12.199 11.252,10.465 TP13.1@11.913,10.465